# Altium PCB radxa_nx4_io_board_v1.11.PcbDoc (part 4 of 13)
Units mil, origin at the board's own origin, x right, y up, seen from the top; angles counter-clockwise.
Board outline 3937.01 x 3110.23 mil, 6 copper layers (TOP, GND02, ART03, ART04, GND05, BOTTOM), stack 47.2 mil thick; 639 components, 522 nets, 2442 pads, 1896 vias.
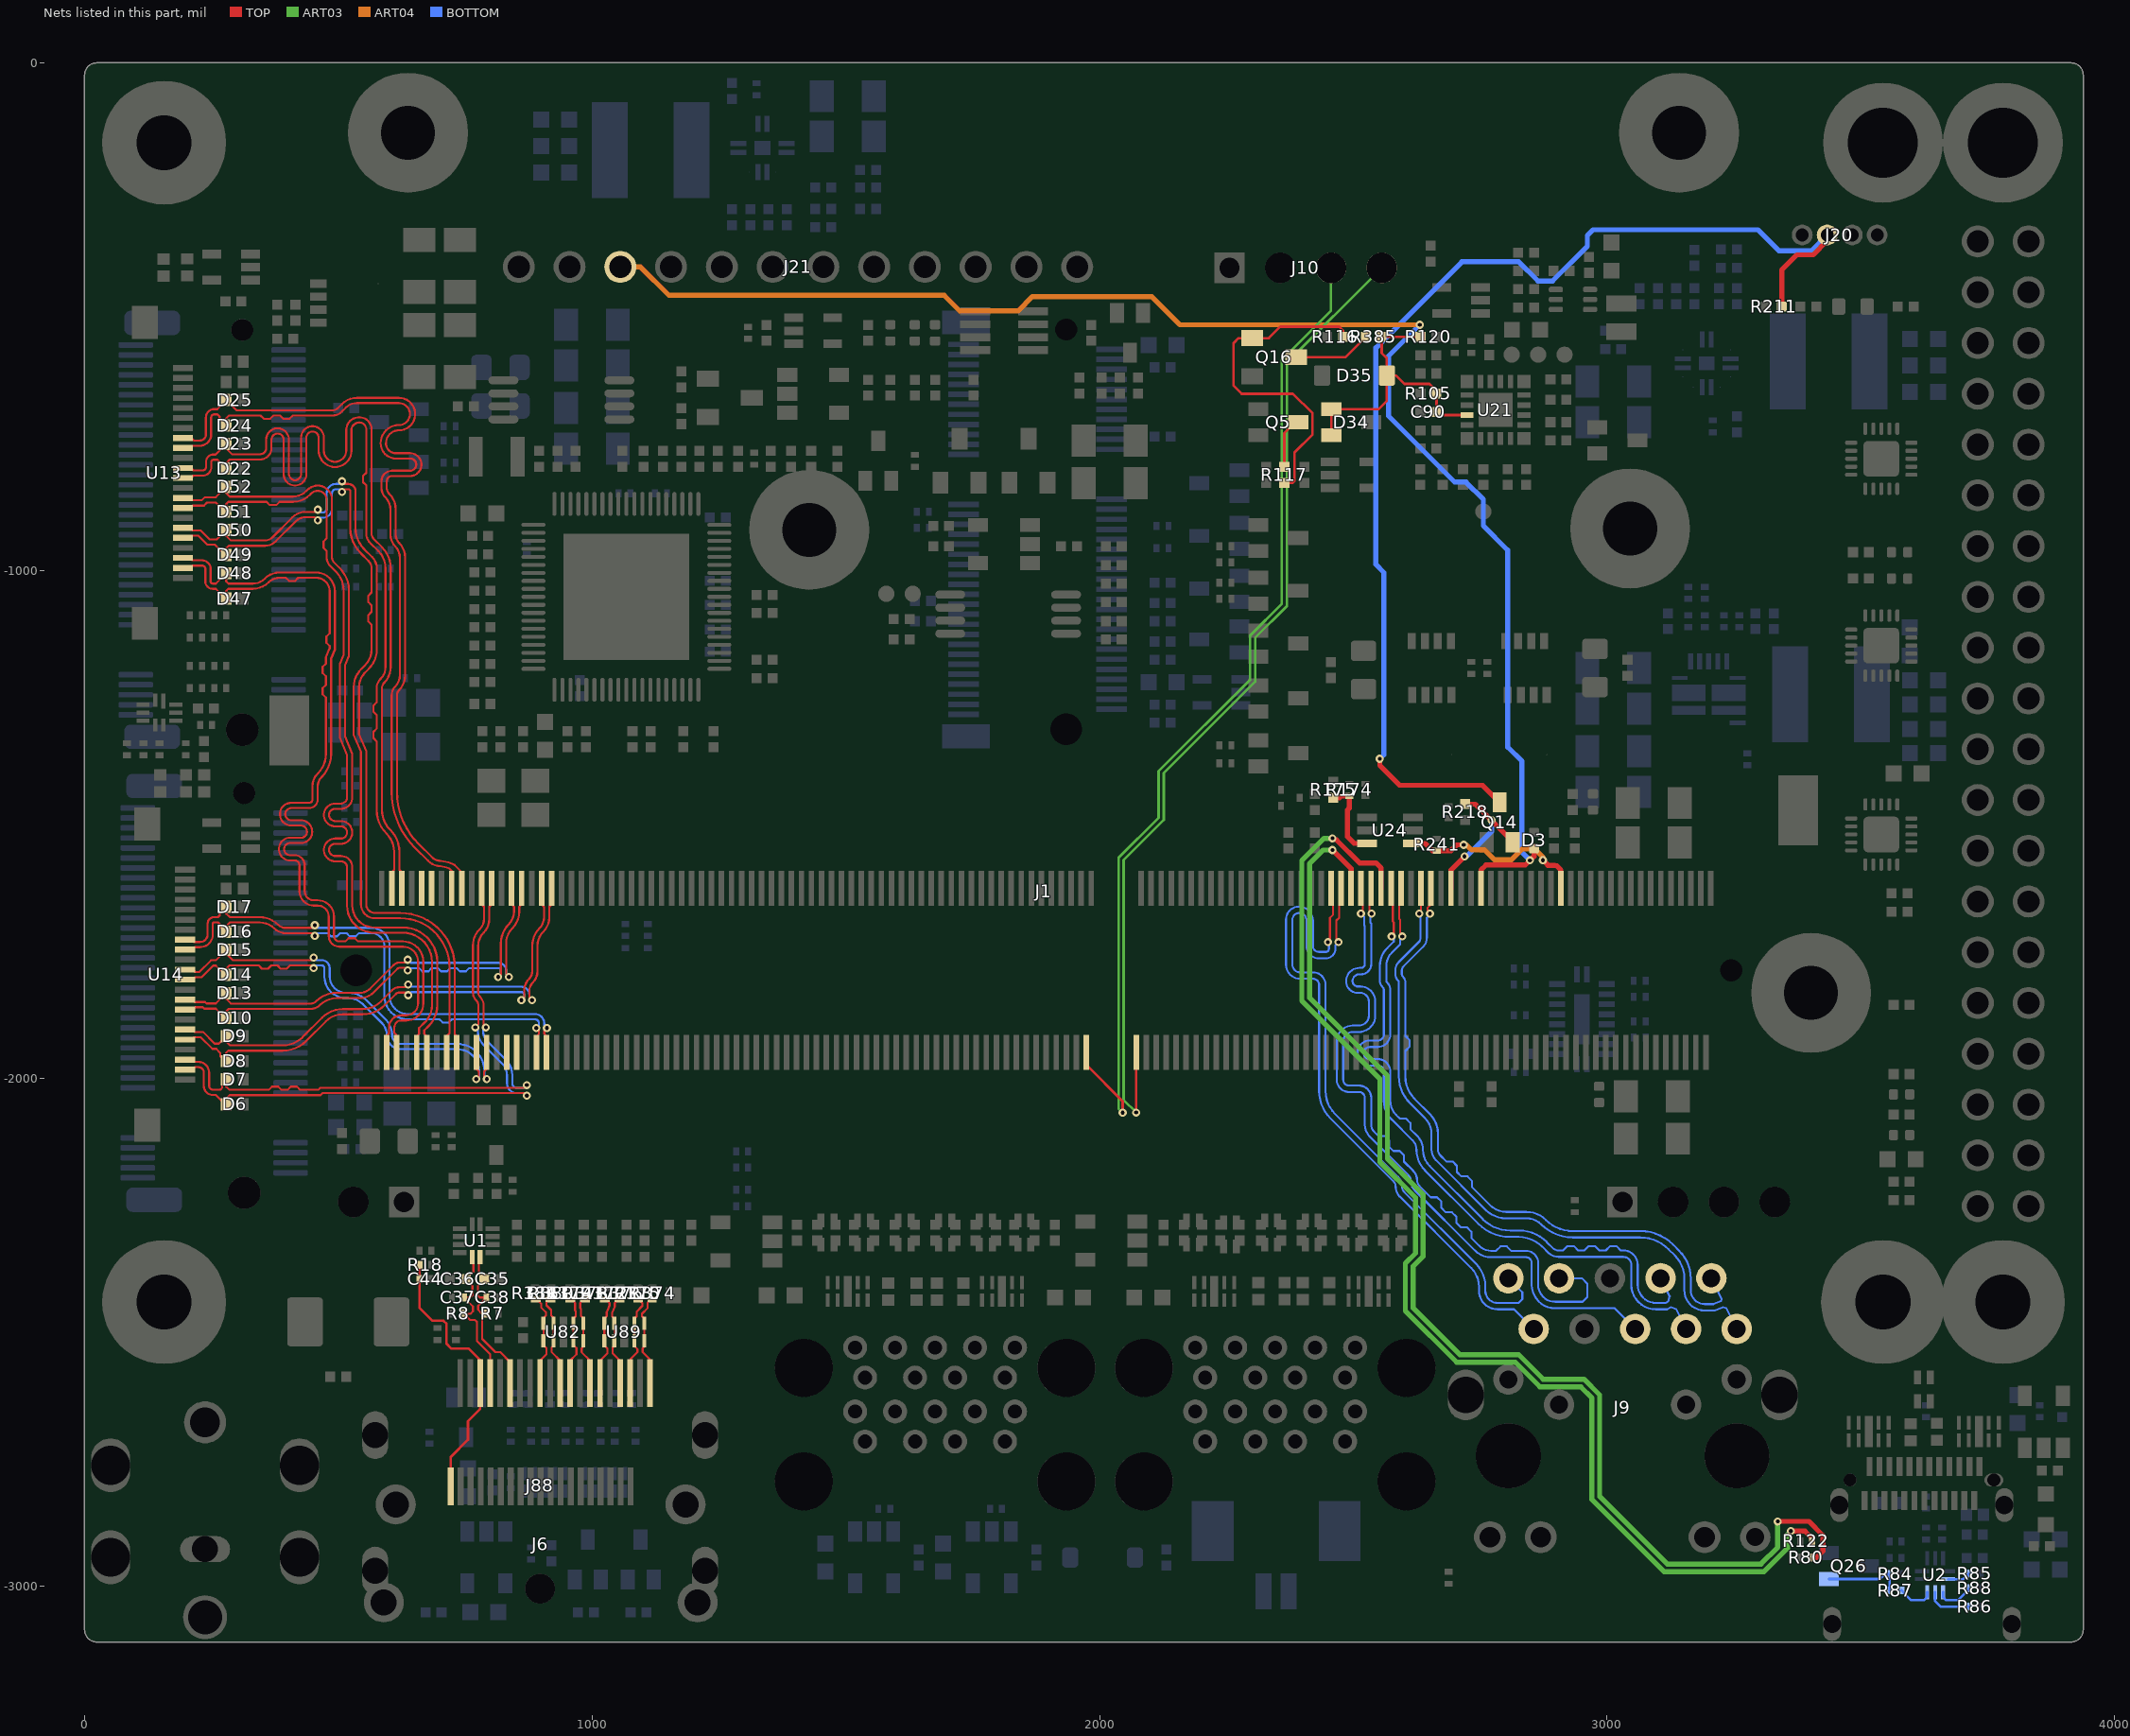
[diagram p8: the nets of this part, all layers, seen from the top]

## Via types
v1: diameter 16, hole 8, TOP to BOTTOM, 1896 vias

## Nets (pads, with @x,y where several pads share a name; then routed paths per layer and width w, separated by ;. In a path a pad name is that pad's centre, name@x,y a point inside that pad or via, vN(x,y) a via of type N, cw(c..) or ccw(c..) an arc to the next point about the centre after c; other vN are vias at no path point) (continued)
CAN_RX: J1.143 J10.3 | length 1989.4
  TOP w5: J1.143@1973.81,-1948.92 1973.81,-1973.81 2045.58,-2045.58 v1(2045.58,-2068)
  ART03 w5: v1(2045.58,-2068) 2037.58,-2060 2037.58,-1566.07 2116.51,-1487.14 2116.51,-1395.14 2296.5,-1215.15 2296.5,-1128.41 2359.17,-1065.74 2359.17,-584.84 2456,-488.01 J10.3@2456,-404
CAN_TX: J1.145 J10.4 | length 2003.1
  TOP w5: v1(2072.24,-2067.6) J1.145@2072.24,-1948.92
  ART03 w5: v1(2072.24,-2067.6) 2047.58,-2042.94 2047.58,-1570.22 2126.51,-1491.29 2126.51,-1399.29 2306.5,-1219.3 2306.5,-1132.56 2369.17,-1069.89 2369.17,-590.83 J10.4@2556,-404
CSI0_CLK_N: J1.10
CSI0_CLK_P: J1.12
CSI0_D0_N: D22.1 J1.4 U13.11 | length 1695.6
  TOP w4.06: U13.11@194.64,-817.84 210.15,-817.84 214.81,-813.18 233.61,-813.18 ccw(c233.61,-796.43) 250.36,-796.43 250.36,-786.06 cw(c254.42,-786.06) 254.42,-782 262.27,-782 D22.1@279.76,-799.49 279.76,-788.24 286.54,-781.46 346.37,-781.46 ccw(c346.37,-759.07) 368.76,-759.07 368.76,-742.39 cw(c380.79,-742.39) 392.82,-742.39 392.82,-810.22 ccw(c415.21,-810.22) 437.6,-810.22 437.6,-738.3 cw(c449.63,-738.3) 461.66,-738.3 461.66,-763.94 ccw(c494,-763.94) 494,-796.28 ccw(c494.02,-763.94) 526.36,-763.94 526.36,-724 cw(c541.84,-724) 541.84,-708.52 cw(c541.84,-722.32) 555.64,-722.32 555.64,-807.61 549.34,-813.91 549.34,-826.09 555.64,-832.39 555.64,-926.68 ccw(c583.37,-926.68) 563.76,-946.28 579.31,-961.83 cw(c545.2,-995.96) 593.45,-995.95 593.45,-1190.13 cw(c560.21,-1190.12) 583.71,-1213.63 ccw(c602.18,-1232.14) 576.03,-1232.15 576.03,-1259.61 569.73,-1265.91 569.73,-1278.09 576.03,-1284.39 576.03,-1311.61 569.73,-1317.91 569.73,-1330.09 576.03,-1336.39 576.03,-1471.43 ccw(c641.86,-1471.42) 595.31,-1517.97 ; 595.32,-1517.98 cw(c558.82,-1554.5) 610.45,-1554.49 610.45,-1589.51 605.7,-1594.26 J1.4@605.7,-1626.09
CSI0_D0_P: D23.1 J1.6 U13.12 | length 1697.6
  TOP w4.06: U13.12@194.64,-798.16 210.15,-798.16 214.81,-802.82 233.61,-802.82 ccw(c233.61,-796.43) 240,-796.43 240,-786.06 cw(c254.42,-786.06) 254.42,-771.64 258.61,-771.64 D23.1@279.76,-750.49 279.76,-759.77 291.09,-771.1 346.37,-771.1 ccw(c346.37,-759.07) 358.4,-759.07 358.4,-742.39 cw(c380.79,-742.39) 403.18,-742.39 403.18,-810.22 ccw(c415.21,-810.22) 427.24,-810.22 427.24,-738.3 cw(c449.63,-738.3) 472.02,-738.3 472.02,-763.94 ccw(c494,-763.94) 494,-785.92 ccw(c494.02,-763.94) 516,-763.94 516,-724 cw(c541.84,-724) 541.84,-698.16 cw(c541.84,-722.32) 566,-722.32 566,-926.67 ccw(c583.36,-926.67) 571.09,-938.95 586.64,-954.5 cw(c545.19,-995.95) 603.81,-995.95 603.81,-1190.13 cw(c560.21,-1190.13) 591.04,-1220.96 ; 591.02,-1220.98 ccw(c602.18,-1232.15) 586.39,-1232.15 586.39,-1471.42 ccw(c641.86,-1471.41) 602.64,-1510.64 cw(c558.81,-1554.49) 620.81,-1554.49 620.81,-1589.69 625.39,-1594.27 J1.6@625.39,-1626.09
CSI0_D1_N: D24.1 J1.16 U13.14 | length 1700
  TOP w4.06: U13.14@194.64,-758.79 209.2,-758.79 213.63,-754.36 228,-754.36 ccw(c228,-732.36) 250,-732.36 250,-698.67 cw(c256,-698.67) 256,-692.67 262.56,-692.67 266.63,-696.74 266.63,-701.36 D24.1@279.76,-714.49 279.76,-700.24 285.04,-694.96 347.3,-694.96 353.6,-701.26 366.4,-701.26 372.7,-694.96 385.5,-694.96 391.8,-701.26 404.6,-701.26 410.9,-694.96 488.71,-694.96 ccw(c488.71,-668.42) 507.47,-687.19 515.33,-679.33 cw(c536.98,-700.97) 536.98,-670.36 620,-670.36 cw(c620,-692) 620,-713.64 ccw(c620,-749.71) 583.93,-749.71 ccw(c613.67,-749.72) 613.67,-779.46 641.9,-779.46 cw(c641.9,-791.49) 641.9,-803.52 606.12,-803.52 ccw(c606.12,-824) 585.64,-824 585.64,-838.33 ccw(c609.66,-838.35) 592.67,-855.33 593.33,-855.99 cw(c569.32,-880.01) 603.28,-880 603.28,-929.98 ccw(c635.37,-929.99) 612.67,-952.67 ; 612.7,-952.7 cw(c590.86,-974.56) 621.76,-974.55 621.76,-1206.73 cw(c590.74,-1206.73) 612.67,-1228.67 ccw(c629.66,-1245.65) 605.64,-1245.66 605.64,-1435.7 ccw(c761.58,-1435.71) 651.31,-1545.97 677.09,-1571.75 ccw(c702.72,-1546.12) 701.62,-1582.34 714.26,-1584.86 719.25,-1586.92 723.81,-1591.48 J1.16@723.81,-1626.09
CSI0_D1_P: D25.1 J1.18 U13.15 | length 1699
  TOP w4.06: U13.15@194.64,-739.1 211.1,-739.1 216,-744 228,-744 ccw(c228,-732.36) 232,-743.29 ccw(c228,-732.36) 239.64,-732.36 239.64,-698.67 cw(c256,-698.67) 256,-682.31 261.94,-682.31 D25.1@279.76,-664.49 299.87,-684.6 488.7,-684.6 ccw(c488.7,-668.42) 500.14,-679.86 508,-672 cw(c536.97,-700.97) 536.97,-660 620,-660 cw(c620,-692) 620,-724 ccw(c620,-749.71) 594.29,-749.71 ccw(c613.67,-749.72) 613.67,-769.1 641.9,-769.1 cw(c641.9,-791.49) 641.9,-813.88 606.12,-813.88 ccw(c606.12,-824) 596,-824 596,-838.34 ccw(c609.66,-838.34) 600,-848 600.66,-848.66 cw(c569.32,-880) 613.64,-880 613.64,-929.98 ccw(c635.37,-929.98) 620,-945.34 ; 620.03,-945.37 cw(c590.86,-974.55) 632.12,-974.55 632.12,-1206.74 cw(c590.74,-1206.74) 620,-1236 ccw(c629.66,-1245.66) 616,-1245.66 616,-1435.7 ccw(c761.58,-1435.7) 658.64,-1538.64 684.42,-1564.42 ccw(c702.72,-1546.12) 702.72,-1572 717.28,-1574.89 729.35,-1579.88 743.5,-1594.03 J1.18@743.5,-1626.09
CSI1_CLK_N: D51.1 J1.9 U13.8 | length 1698.5
  TOP w4.06: U13.8@194.64,-876.9 208.11,-876.9 212.78,-872.23 235.78,-872.23 241.84,-866.17 259.44,-866.17 279.76,-886.49 D51.1@279.76,-884.49 279.76,-868.94 283.82,-864.88 359.26,-864.88 365.56,-871.18 378.36,-871.18 384.66,-864.88 410.95,-864.88 ccw(c410.96,-817.05) 444.77,-850.88 446.95,-848.7 cw(c460.01,-861.75) 460,-843.29 cw(c460,-860.93) 477.64,-860.93 477.64,-936.56 471.34,-942.86 471.34,-955.66 477.64,-961.96 477.64,-974.76 ccw(c500.78,-974.75) 484.4,-991.1 495.99,-1002.7 cw(c460.13,-1038.54) 510.83,-1038.54 510.84,-1166.35 503.45,-1184.2 503.45,-1328.91 517.7,-1363.32 517.7,-1447.12 cw(c505.67,-1447.12) 505.67,-1459.15 494.39,-1459.15 ccw(c494.39,-1481.54) 494.39,-1503.93 505.67,-1503.93 cw(c505.67,-1515.96) 505.67,-1527.99 494.39,-1527.99 ccw(c494.39,-1550.38) 494.39,-1572.77 505.67,-1572.77 cw(c505.67,-1584.8) 517.7,-1584.8 517.7,-1659.75 ccw(c571.53,-1659.75) 571.53,-1713.58 627.93,-1713.58 cw(c627.93,-1770.71) 685.06,-1770.71 685.06,-1856.24 cw(c637.63,-1856.23) 672.85,-1888 cw(c637.62,-1856.24) 671.16,-1889.78 659.57,-1901.37 659.57,-1912.45 654.91,-1917.11 J1.9@654.91,-1948.92
CSI1_CLK_P: D52.1 J1.11 U13.9 | length 1699.7
  TOP w4.06: U13.9@194.64,-857.21 209.2,-857.21 213.86,-861.87 231.48,-861.87 237.54,-855.81 259.44,-855.81 D52.1@279.76,-835.49 279.76,-847.76 286.52,-854.52 410.95,-854.52 ccw(c410.95,-817.05) 437.44,-843.55 439.62,-841.37 cw(c460,-861.76) 460,-832.93 cw(c460,-860.93) 488,-860.93 488,-974.75 ccw(c500.77,-974.74) 491.74,-983.77 503.33,-995.37 cw(c460.14,-1038.53) 521.2,-1038.54 521.2,-1168.41 513.81,-1186.26 513.81,-1326.84 528.06,-1361.25 528.06,-1447.12 cw(c505.67,-1447.12) 505.67,-1469.51 494.39,-1469.51 ccw(c494.39,-1481.54) 494.39,-1493.57 505.67,-1493.57 cw(c505.67,-1515.96) 505.67,-1538.35 494.39,-1538.35 ccw(c494.39,-1550.38) 494.39,-1562.41 505.67,-1562.41 cw(c505.67,-1584.8) 528.06,-1584.8 528.06,-1659.75 ccw(c571.53,-1659.75) 571.53,-1703.22 627.93,-1703.22 cw(c627.93,-1770.71) 695.42,-1770.71 695.42,-1856.25 cw(c637.62,-1856.24) 685.91,-1888 cw(c637.62,-1856.24) 678.49,-1897.11 669.93,-1905.67 669.93,-1912.43 674.6,-1917.1 J1.11@674.6,-1948.92
CSI1_D0_N: D47.1 J1.3 U13.2 | length 1699.1
  TOP w4.06: U13.2@194.64,-995.01 209,-995.01 213.51,-990.5 232,-990.5 cw(c232,-997.14) 238.64,-997.14 238.64,-1021.75 ccw(c253.06,-1021.75) 253.06,-1036.17 259.44,-1036.17 279.76,-1056.49 D47.1@279.76,-1055.49 279.76,-1040.25 283.65,-1036.36 331.75,-1036.36 ccw(c331.76,-991.59) 363.41,-1023.25 cw(c384.86,-1044.68) 384.85,-1014.36 397.03,-1014.36 403.33,-1020.66 415.51,-1020.66 421.81,-1014.36 456.94,-1014.36 cw(c456.94,-1040.84) 483.42,-1040.84 483.42,-1123.91 477.12,-1130.21 477.12,-1142.39 483.42,-1148.69 483.42,-1153.65 476.03,-1171.5 476.03,-1183.68 469.73,-1189.98 469.73,-1202.16 476.03,-1208.46 476.03,-1225.58 469.73,-1231.88 469.73,-1244.06 476.03,-1250.36 476.03,-1361.3 cw(c421.3,-1361.3) 460,-1400 ccw(c485.01,-1425.01) 449.64,-1425.01 449.64,-1451.12 cw(c443.18,-1451.12) 443.18,-1457.58 407.98,-1457.58 ccw(c407.98,-1479.97) 407.98,-1502.36 426.39,-1502.36 cw(c426.39,-1514.78) 438.81,-1514.78 cw(c427.18,-1514.79) 427.18,-1526.42 405.81,-1526.42 ccw(c405.81,-1548.81) 405.81,-1571.2 414.39,-1571.2 cw(c414.39,-1580.81) 424,-1580.81 424,-1632 ccw(c452,-1632) 452,-1660 460,-1660 cw(c460,-1681.64) 481.64,-1681.64 481.64,-1720.26 ccw(c502.38,-1720.26) 502.38,-1741 627.93,-1741 cw(c627.93,-1770.71) 657.64,-1770.71 657.64,-1852.78 cw(c634.42,-1852.78) 634.42,-1876 624.52,-1876 ccw(c624.52,-1900) 613.12,-1878.88 ccw(c624.52,-1900) 600.52,-1900 600.52,-1911.48 595.86,-1916.14 J1.3@595.86,-1948.92
CSI1_D0_P: D48.1 J1.5 U13.3 | length 1700
  TOP w4.06: U13.3@194.64,-975.32 208.32,-975.32 213.14,-980.14 232,-980.14 cw(c232,-997.14) 249,-997.14 249,-1021.75 ccw(c253.06,-1021.75) 253.06,-1025.81 259.44,-1025.81 D48.1@279.76,-1005.49 279.76,-1021.75 284.01,-1026 331.75,-1026 ccw(c331.75,-991.6) 356.08,-1015.92 cw(c384.85,-1044.68) 384.85,-1004 456.94,-1004 cw(c456.94,-1040.84) 493.78,-1040.84 493.78,-1155.71 486.39,-1173.56 486.39,-1361.3 cw(c421.3,-1361.31) 467.33,-1407.33 ccw(c485.01,-1425.02) 460,-1425.02 460,-1451.12 cw(c443.18,-1451.12) 443.18,-1467.94 407.98,-1467.94 ccw(c407.98,-1479.97) 407.98,-1492 426.39,-1492 cw(c426.39,-1514.78) 449.17,-1514.78 cw(c427.18,-1514.79) 427.18,-1536.78 405.81,-1536.78 ccw(c405.81,-1548.81) 405.81,-1560.84 414.39,-1560.84 cw(c414.39,-1580.81) 434.36,-1580.81 434.36,-1632 ccw(c452,-1632) 452,-1649.64 460,-1649.64 cw(c460,-1681.64) 492,-1681.64 492,-1720.26 ccw(c502.38,-1720.26) 502.38,-1730.64 514.56,-1730.64 520.86,-1724.34 533.04,-1724.34 539.34,-1730.64 627.93,-1730.64 cw(c627.93,-1770.71) 668,-1770.71 668,-1852.78 cw(c634.42,-1852.78) 634.42,-1886.36 624.52,-1886.36 ccw(c624.52,-1900) 618.04,-1888 ccw(c624.52,-1900) 610.88,-1900 610.88,-1910.88 615.54,-1915.54 J1.5@615.54,-1948.92
CSI1_D1_N: D49.1 J1.15 U13.5 | length 1708.2
  TOP w4.06: U13.5@194.64,-935.95 208.05,-935.95 212.71,-931.29 224.63,-931.29 242.7,-949.36 257.63,-949.36 279.76,-971.49 D49.1@279.76,-969.49 279.76,-956.25 284.65,-951.36 356,-951.36 ccw(c356,-920.84) 377.58,-942.42 417.07,-902.93 cw(c436,-921.86) 436,-895.09 453.77,-895.09 v1(460,-901.32) ; v1(508,-845.32) 513.32,-840 520,-840 cw(c520,-844.03) 524.03,-844.03 524.03,-916.48 ccw(c593.71,-916.49) 544.43,-965.75 559.91,-981.23 cw(c545.15,-996) 566.03,-995.99 566.03,-1043.3 559.73,-1049.6 559.73,-1062.4 566.03,-1068.7 566.03,-1081.5 559.73,-1087.8 559.73,-1100.6 566.03,-1106.9 566.03,-1155.67 cw(c522.5,-1155.67) 553.28,-1186.45 545.81,-1193.92 ccw(c581.91,-1230) 530.87,-1230 530.87,-1323.42 545.12,-1357.83 545.12,-1657.46 ccw(c572.66,-1657.46) 572.66,-1685 622.71,-1685 cw(c622.71,-1781.92) 719.63,-1781.92 719.63,-1911.44 713.97,-1917.1 J1.15@713.97,-1948.92
  BOTTOM w4.06: v1(460,-901.32) 465.32,-896 470.31,-896 ccw(c470.31,-878.31) 488,-878.31 488,-847.88 cw(c495.88,-847.88) 495.88,-840 502.68,-840 v1(508,-845.32)
CSI1_D1_P: D50.1 J1.17 U13.6 | length 1708.8
  TOP w4.06: U13.6@194.64,-916.27 208.27,-916.27 212.93,-920.93 228.93,-920.93 247,-939 261.25,-939 D50.1@279.76,-920.49 279.76,-931.76 289,-941 356,-941 ccw(c355.99,-920.85) 370.25,-935.09 409.74,-895.6 cw(c435.99,-921.86) 436.01,-884.73 455.59,-884.73 v1(460,-880.32) ; v1(508,-824.32) 513.32,-829.64 520,-829.64 cw(c520,-844.03) 534.39,-844.03 534.39,-916.48 ccw(c593.71,-916.48) 551.76,-958.42 567.24,-973.9 cw(c545.15,-995.99) 576.39,-995.99 576.39,-1155.67 cw(c522.5,-1155.68) 560.61,-1193.78 553.14,-1201.25 ccw(c581.9,-1230.01) 541.23,-1230 541.23,-1321.35 555.48,-1355.76 555.48,-1657.46 ccw(c572.66,-1657.46) 572.66,-1674.64 622.71,-1674.64 cw(c622.71,-1781.92) 729.99,-1781.92 729.99,-1913.44 733.65,-1917.1 J1.17@733.65,-1948.92
  BOTTOM w4.06: v1(460,-880.32) 465.32,-885.64 470.31,-885.64 ccw(c470.31,-878.31) 477.64,-878.31 477.64,-847.88 cw(c495.88,-847.88) 495.88,-829.64 502.68,-829.64 v1(508,-824.32)
CSI2_CLK_N: D10.1 J1.28 U14.8 | length 902
  TOP w4.06: U14.8@198.64,-1864.9 214.1,-1864.9 218.76,-1860.24 233.57,-1860.24 236.5,-1863.17 259.44,-1863.17 279.76,-1883.49 D10.1@279.76,-1881.49 279.76,-1868.24 284.64,-1863.36 446.41,-1863.36 ccw(c446.4,-1838.64) 463.88,-1856.12 cw(c497.07,-1889.26) 497.06,-1842.36 542.35,-1842.36 ccw(c542.34,-1802.29) 570.68,-1830.62 616.48,-1784.81 cw(c622.45,-1790.8) 622.45,-1782.35 631.81,-1782.35 v1(637.13,-1787.67) ; v1(815.39,-1800.51) 820.71,-1795.19 820.71,-1734.4 cw(c873.29,-1734.41) 836.11,-1697.23 ; 836.14,-1697.2 ccw(c810.95,-1672) 846.58,-1672.01 846.58,-1662.58 841.92,-1657.92 J1.28@841.92,-1626.09
  BOTTOM w4.06: v1(637.13,-1787.67) 641.54,-1783.26 659.61,-1783.26 665.91,-1789.56 678.09,-1789.56 684.39,-1783.26 696.57,-1783.26 702.87,-1789.56 715.05,-1789.56 721.35,-1783.26 733.53,-1783.26 739.83,-1789.56 752.01,-1789.56 758.31,-1783.26 816.03,-1783.26 cw(c816.03,-1788) 820.77,-1788 820.77,-1795.13 v1(815.39,-1800.51)
CSI2_CLK_P: D13.1 J1.30 U14.9 | length 901.1
  TOP w4.06: U14.9@198.64,-1845.21 213.21,-1845.21 217.88,-1849.88 237.87,-1849.88 240.8,-1852.81 259.44,-1852.81 D13.1@279.76,-1832.49 279.76,-1843.76 289,-1853 446.4,-1853 ccw(c446.39,-1838.64) 456.55,-1848.79 ; 456.57,-1848.77 cw(c497.06,-1889.26) 497.05,-1832 542.34,-1832 ccw(c542.33,-1802.29) 563.35,-1823.29 609.15,-1777.48 cw(c622.43,-1790.81) 622.45,-1771.99 631.81,-1771.99 v1(637.13,-1766.67) ; v1(836.39,-1800.51) 831.07,-1795.19 831.07,-1734.41 cw(c873.29,-1734.42) 843.44,-1704.56 ccw(c810.95,-1672.01) 856.94,-1672.01 856.94,-1662.58 861.61,-1657.91 J1.30@861.61,-1626.09
  BOTTOM w4.06: v1(637.13,-1766.67) 643.36,-1772.9 816.03,-1772.9 cw(c816.03,-1788) 831.13,-1788 831.13,-1795.25 v1(836.39,-1800.51)
CSI2_D0_N: D6.1 J1.22 U14.2 | length 1218.7
  TOP w4.06: U14.2@198.64,-1983.01 213,-1983.01 217.66,-1978.35 225.07,-1978.35 cw(c225.07,-1988.92) 235.64,-1988.92 235.64,-2015.21 ccw(c253.6,-2015.21) 253.6,-2033.17 259.44,-2033.17 279.76,-2053.49 D6.1@279.76,-2051.49 279.76,-2040.24 286.64,-2033.36 465.3,-2033.36 469.39,-2029.27 866.68,-2029.27 v1(872,-2034.59) ; v1(770.21,-1900) 776.44,-1893.77 776.44,-1857.04 ccw(c762.08,-1857.05) 772.23,-1846.89 ; 772.21,-1846.88 cw(c788.18,-1830.97) 765.64,-1830.97 765.64,-1739.49 cw(c813.39,-1739.48) 779.94,-1705.4 ccw(c760.54,-1686.66) 787.52,-1686.64 ; J1.22@782.87,-1626.09 782.87,-1657.91 787.53,-1662.57 787.53,-1686.65
  BOTTOM w4.06: v1(770.21,-1900) 775.53,-1905.32 775.53,-1907.8 ccw(c813.52,-1907.8) 786.66,-1934.66 823.14,-1971.14 cw(c799.61,-1994.66) 832.88,-1994.65 832.88,-2010.15 ccw(c852,-2010.15) 852,-2029.27 866.68,-2029.27 v1(872,-2034.59)
CSI2_D0_P: D7.1 J1.24 U14.3 | length 1217.9
  TOP w4.06: U14.3@198.64,-1963.32 211.31,-1963.32 215.98,-1967.99 225.07,-1967.99 cw(c225.07,-1988.92) 246,-1988.92 246,-2015.21 ccw(c253.6,-2015.21) 253.6,-2022.81 267.94,-2022.81 272,-2018.75 272,-2010.25 D7.1@279.76,-2002.49 279.76,-2016.76 286,-2023 363.61,-2023 369.91,-2016.7 382.09,-2016.7 388.39,-2023 400.57,-2023 406.87,-2016.7 419.05,-2016.7 425.35,-2023 461,-2023 465.09,-2018.91 866.68,-2018.91 v1(872,-2013.59) ; v1(791.21,-1900) 786.8,-1895.59 786.8,-1857.04 ccw(c762.08,-1857.04) 779.56,-1839.56 cw(c788.17,-1830.96) 776,-1830.96 776,-1739.49 cw(c813.39,-1739.49) 786.95,-1713.05 ccw(c760.55,-1686.65) 797.89,-1686.64 797.89,-1662.57 802.55,-1657.91 J1.24@802.55,-1626.09
  BOTTOM w4.06: v1(791.21,-1900) 785.89,-1905.32 785.89,-1907.79 ccw(c813.51,-1907.79) 793.99,-1927.33 830.47,-1963.81 cw(c799.61,-1994.65) 843.24,-1994.64 843.24,-2010.15 ccw(c852,-2010.15) 852,-2018.91 866.68,-2018.91 v1(872,-2013.59)
CSI2_D1_N: D8.1 J1.34 U14.5 | length 1009.2
  TOP w4.06: U14.5@198.64,-1923.95 212.05,-1923.95 216.71,-1919.29 229.62,-1919.29 252.69,-1942.36 260,-1942.36 268,-1950.36 268,-1956.73 279.76,-1968.49 D8.1@279.76,-1966.49 279.76,-1949.94 283.82,-1945.88 390.72,-1945.88 ccw(c390.71,-1879.72) 437.5,-1926.5 475.9,-1888.1 cw(c509.07,-1921.26) 509.06,-1874.36 548.15,-1874.36 ccw(c548.16,-1812.84) 591.65,-1856.35 613.95,-1834.05 cw(c620.68,-1840.77) 620.67,-1831.26 632.58,-1831.26 v1(637.9,-1836.58) ; v1(861.16,-1846.38) 866.48,-1841.06 866.48,-1828.02 cw(c900.11,-1828.03) 876.33,-1804.25 ccw(c861.55,-1789.43) 882.48,-1789.44 882.48,-1739.46 cw(c932.19,-1739.45) 897.04,-1704.3 ccw(c876.31,-1683.55) 905.64,-1683.56 905.64,-1662.57 900.98,-1657.91 J1.34@900.98,-1626.09
  BOTTOM w4.06: v1(637.9,-1836.58) 644.13,-1830.35 860.83,-1830.35 cw(c860.83,-1836) 866.48,-1836 866.48,-1841.06 v1(861.16,-1846.38)
CSI2_D1_P: D9.1 J1.36 U14.6 | length 1009.4
  TOP w4.06: U14.6@198.64,-1904.27 212.27,-1904.27 216.93,-1908.93 233.92,-1908.93 256.99,-1932 265.25,-1932 D9.1@279.76,-1917.49 279.76,-1927.76 287.52,-1935.52 390.71,-1935.52 ccw(c390.71,-1879.72) 430.17,-1919.17 468.57,-1880.77 cw(c509.06,-1921.27) 509.06,-1864 548.15,-1864 ccw(c548.15,-1812.84) 584.32,-1849.02 606.62,-1826.72 cw(c620.67,-1840.77) 620.67,-1820.9 632.58,-1820.9 v1(637.9,-1815.58) ; v1(882.16,-1846.38) 876.84,-1841.06 876.84,-1828.03 cw(c900.11,-1828.04) 883.66,-1811.58 ; 883.67,-1811.57 ccw(c861.55,-1789.44) 892.84,-1789.44 892.84,-1739.46 cw(c932.19,-1739.46) 904.37,-1711.63 ; 904.38,-1711.62 ccw(c876.31,-1683.56) 916,-1683.56 916,-1662.57 920.66,-1657.91 J1.36@920.66,-1626.09
  BOTTOM w4.06: v1(637.9,-1815.58) 642.31,-1819.99 860.83,-1819.99 cw(c860.83,-1836) 876.84,-1836 876.84,-1841.06 v1(882.16,-1846.38)
CSI3_CLK_N: J1.27
CSI3_CLK_P: J1.29
CSI3_D0_N: D14.1 J1.21 U14.11 | length 825.6
  TOP w4.06: U14.11@198.64,-1805.84 214.15,-1805.84 218.81,-1801.18 230.99,-1801.18 254,-1778.17 259.44,-1778.17 279.76,-1798.49 D14.1@279.76,-1796.49 279.76,-1784.24 286,-1778 343.61,-1778 349.91,-1784.3 362.09,-1784.3 368.39,-1778 380.57,-1778 386.87,-1784.3 399.05,-1784.3 405.35,-1778 446.68,-1778 v1(452,-1783.32) ; v1(772.07,-2002.03) 777.39,-1996.71 777.39,-1986.5 773.02,-1982.13 J1.21@773.02,-1948.92
  BOTTOM w4.06: v1(452,-1783.32) 457.32,-1778 468,-1778 cw(c468,-1783.04) 473.04,-1783.04 473.04,-1799.4 ccw(c516,-1799.4) 516,-1842.36 520.07,-1842.36 cw(c520.06,-1883.64) 549.26,-1854.46 586.32,-1891.52 cw(c562.98,-1914.88) 596,-1914.87 ; 596,-1914.88 ccw(c623.98,-1914.88) 623.98,-1942.86 734.48,-1942.86 cw(c734.48,-1986.38) 778,-1986.38 778,-1996.1 v1(772.07,-2002.03)
CSI3_D0_P: D15.1 J1.23 U14.12 | length 826.9
  TOP w4.06: U14.12@198.64,-1786.16 214.15,-1786.16 218.81,-1790.82 226.69,-1790.82 249.7,-1767.81 259.44,-1767.81 D15.1@279.76,-1747.49 279.76,-1754.76 292.64,-1767.64 446.68,-1767.64 v1(452,-1762.32) ; J1.23@792.71,-1948.92 792.71,-1981.96 787.75,-1986.92 787.75,-1996.71 v1(793.07,-2002.03)
  BOTTOM w4.06: v1(452,-1762.32) 457.32,-1767.64 468,-1767.64 cw(c468,-1783.04) 483.4,-1783.04 483.4,-1799.4 ccw(c516,-1799.4) 516,-1832 520.08,-1832 cw(c520.07,-1883.64) 556.59,-1847.13 593.65,-1884.19 cw(c562.98,-1914.87) 606.36,-1914.86 ; 606.36,-1914.88 ccw(c623.98,-1914.88) 623.98,-1932.5 734.48,-1932.5 cw(c734.48,-1986.38) 788.36,-1986.38 788.36,-1997.32 v1(793.07,-2002.03)
CSI3_D1_N: D16.1 J1.33 U14.14 | length 995.3
  TOP w4.06: U14.14@198.64,-1746.79 213.2,-1746.79 217.86,-1742.13 228,-1742.13 ccw(c228,-1716.77) 253.36,-1716.77 253.36,-1695.81 cw(c256,-1695.81) 256,-1693.17 263.5,-1693.17 267.13,-1696.8 267.13,-1700.86 279.76,-1713.49 D16.1@279.76,-1711.49 279.76,-1700.24 286.64,-1693.36 345.72,-1693.36 cw(c345.71,-1734.37) 374.72,-1705.38 ; 374.74,-1705.4 ccw(c396.38,-1683.74) 396.39,-1714.36 448.95,-1714.36 v1(454.27,-1719.68) ; v1(890.47,-1901.47) 895.79,-1906.79 895.79,-1912.45 891.13,-1917.11 J1.33@891.13,-1948.92
  BOTTOM w4.06: v1(454.27,-1719.68) 459.59,-1714.36 479.61,-1714.36 485.91,-1720.66 498.09,-1720.66 504.39,-1714.36 516.57,-1714.36 522.87,-1720.66 535.05,-1720.66 541.35,-1714.36 565.57,-1714.36 cw(c565.57,-1740) 591.21,-1740 591.21,-1837.87 ccw(c637.31,-1837.87) 637.31,-1883.97 699.61,-1883.97 705.91,-1890.27 718.09,-1890.27 724.39,-1883.97 887.76,-1883.97 cw(c887.76,-1892) 895.79,-1892 895.79,-1896.15 v1(890.47,-1901.47)
CSI3_D1_P: D17.1 J1.35 U14.15 | length 996.1
  TOP w4.06: U14.15@198.64,-1727.1 211.11,-1727.1 215.78,-1731.77 228,-1731.77 ccw(c228,-1716.77) 243,-1716.77 243,-1695.81 cw(c256,-1695.81) 256,-1682.81 263.5,-1682.81 267.12,-1679.19 267.12,-1675.13 D17.1@279.76,-1662.49 279.76,-1675.76 287,-1683 345.72,-1683 cw(c345.72,-1734.37) 382.05,-1698.05 ccw(c396.39,-1683.74) 396.39,-1704 448.95,-1704 v1(454.27,-1698.68) ; J1.35@910.82,-1948.92 910.82,-1917.1 906.15,-1912.43 906.15,-1906.79 v1(911.47,-1901.47)
  BOTTOM w4.06: v1(454.27,-1698.68) 459.59,-1704 565.57,-1704 cw(c565.57,-1740) 601.57,-1740 601.57,-1837.87 ccw(c637.31,-1837.87) 637.31,-1873.61 887.76,-1873.61 cw(c887.76,-1892) 906.15,-1892 906.15,-1896.15 v1(911.47,-1901.47)
DCJ_UNPLUG: Q16.1 R116.1 R117.1 | length 676.3
  TOP w5: R117.1@2364,-827.75 2380.25,-827.75 2384,-824 2384,-768 2419.56,-732.44 2419.56,-690.7 2380.86,-652 2280,-652 2264,-636 2264,-552.01 2273.41,-542.6 Q16.1@2300.69,-542.6 2333.41,-542.6 2356.01,-520 2472,-520 2479.75,-527.75 R116.1@2479.75,-540
DCJ_UNPLUG_Q: Q16.3 R385.1 | length 153.5
  TOP w5: Q16.3@2387.31,-580 2484.25,-580 R385.1@2524.25,-540
DCJ_UNPLUG_R: Q5.3 R117.2 | length 103
  TOP w5: R117.2@2364,-796.25 2364,-729.46 2385.46,-708 Q5.3@2391.37,-708
DDI_AUX_C_DN: C36.2 C37.1 J88.17 R8.1 U1.1 | length 325
  TOP w4.06: U1.1@764.13,-2352.48 764.13,-2364.13 766.7,-2366.7 766.7,-2381.05 C36.2@751.75,-2396 764.82,-2409.07 764.82,-2427.94 760.76,-2432 C37.1@747.81,-2432 765.64,-2449.83 765.64,-2459.12 760.76,-2464 R8.1@747.81,-2464 759.81,-2476 769.58,-2476 773.64,-2480.06 773.64,-2517.86 799.57,-2543.79 J88.17@799.57,-2600.64
DDI_AUX_C_DP: C35.2 C38.1 J88.15 R7.1 U1.2 | length 324
  TOP w4.06: U1.2@779.87,-2352.48 779.87,-2364.12 777.06,-2366.93 777.06,-2384.81 C35.2@788.25,-2396 775.18,-2409.07 775.18,-2427.94 779.24,-2432 C38.1@792.19,-2432 776,-2448.19 776,-2456 784,-2464 R7.1@792.19,-2464 784,-2472.19 784,-2513.56 809.93,-2539.49 819.49,-2539.49 838.94,-2558.94 J88.15@838.94,-2600.64
DDI_TX0_C_DN: J88.3 L10.1 R375.2 U89.2 U89.9 | length 182.4
  TOP w4.06: J88.3@1075.16,-2600.64 1075.16,-2553.94 1089.67,-2539.43 1089.67,-2533.67 1083.68,-2527.68 U89.9@1083.68,-2517.22 U89.2@1083.68,-2482.78 1083.68,-2473.32 1088.35,-2468.65 1088.35,-2459.7 1099.64,-2448.41 1099.64,-2443.34 1096.14,-2439.84 L10.1@1096.14,-2434.83
DDI_TX0_C_DP: J88.1 L10.2 R374.2 U89.1 U89.10 | length 181.4
  TOP w4.06: L10.2@1113.86,-2434.83 1113.86,-2438.14 1110,-2442 1110,-2452.71 1098.71,-2464 1098.71,-2468.71 1103.37,-2473.37 U89.1@1103.37,-2482.78 U89.10@1103.37,-2517.22 1103.37,-2528.62 1100.03,-2531.96 1100.03,-2539.43 1114.53,-2553.93 J88.1@1114.53,-2600.64
DDI_TX1_C_DN: J88.6 L12.1 R377.2 U89.5 U89.6 | length 178.9
  TOP w4.06: J88.6@1016.11,-2600.64 1016.11,-2556.19 1030.62,-2541.68 1030.62,-2532.61 1024.63,-2526.62 U89.6@1024.63,-2517.22 U89.5@1024.63,-2482.78 1024.63,-2473.38 1029.3,-2468.71 1029.3,-2460.41 1034.82,-2447.08 1034.82,-2442.83 1031.14,-2439.15 L12.1@1031.14,-2434.83
DDI_TX1_C_DP: J88.4 L12.2 R376.2 U89.4 U89.7 | length 177.8
  TOP w4.06: L12.2@1048.86,-2434.83 1048.86,-2439.14 1045.18,-2442.82 1045.18,-2449.15 1039.66,-2462.48 1039.66,-2468.67 1044.32,-2473.33 U89.4@1044.32,-2482.78 U89.7@1044.32,-2517.22 1044.32,-2527.68 1040.98,-2531.02 1040.98,-2541.71 1055.48,-2556.21 J88.4@1055.48,-2600.64
DDI_TX2_C_DN: J88.9 L14.1 R379.2 U82.2 U82.9 | length 177.6
  TOP w4.06: J88.9@957.05,-2600.64 957.05,-2556.2 969.64,-2543.61 969.64,-2531.76 963.68,-2525.8 U82.9@963.68,-2517.22 U82.2@963.68,-2482.78 963.68,-2473.33 968.34,-2468.67 968.34,-2458.99 966.82,-2457.47 966.82,-2442.82 963.14,-2439.14 L14.1@963.14,-2434.83
DDI_TX2_C_DP: J88.7 L14.2 R378.2 U82.1 U82.10 | length 178.1
  TOP w4.06: L14.2@980.86,-2434.83 980.86,-2439.14 977.18,-2442.82 977.18,-2453.17 978.7,-2454.69 978.7,-2468.71 983.37,-2473.38 U82.1@983.37,-2482.78 U82.10@983.37,-2517.22 983.37,-2528.62 980,-2531.99 980,-2539.77 996.42,-2556.19 J88.7@996.42,-2600.64
DDI_TX3_C_DN: J88.12 L16.1 R381.2 U82.5 U82.6 | length 181.3
  TOP w4.06: L16.1@895.14,-2434.83 895.14,-2439.15 900,-2444.01 900,-2451.66 909.29,-2460.95 909.29,-2467.71 904.63,-2472.37 U82.5@904.63,-2482.78 U82.6@904.63,-2517.22 904.63,-2525.63 910.64,-2531.64 910.64,-2543.56 898,-2556.2 J88.12@898,-2600.64
DDI_TX3_C_DP: J88.10 L16.2 R380.2 U82.4 U82.7 | length 180.8
  TOP w4.06: L16.2@912.86,-2434.83 912.86,-2439.14 910.36,-2441.64 910.36,-2447.36 919.65,-2456.65 919.65,-2467.65 924.32,-2472.32 U82.4@924.32,-2482.78 U82.7@924.32,-2517.22 924.32,-2526.68 921,-2530 921,-2539.84 937.37,-2556.21 J88.10@937.37,-2600.64
DP_HPD_CON: C44.1 J6.19 J88.18 R18.2 | length 542.4
  TOP w5: R18.2@660.19,-2368 C44.1@660.19,-2396 660.19,-2452.19 685.78,-2477.78 707.4,-2477.78 713.62,-2484 713.62,-2523.24 722.69,-2532.31 756.65,-2532.31 779.89,-2555.55 J88.18@779.89,-2600.64 779.89,-2651.52 756,-2675.41 756,-2712 721.96,-2746.04 J6.19@721.96,-2804.28
FAN_PWM: J1.230 R241.2 U24.4 | length 379.5
  TOP w10: U24.4@2617.28,-1537.59 2641.58,-1537.59 2655.8,-1551.81 R241.2@2664,-1551.81 2692.19,-1551.81 2703.56,-1540.44 v1(2717.5,-1540.44) ; v1(2873.35,-1570.75) 2883.24,-1580.64 2896.48,-1580.64 2900.91,-1582.12 2908.84,-1590.05 ; J1.230@2908.85,-1626.09 2908.85,-1590.08
  ART04 w10: v1(2717.5,-1540.44) 2722.72,-1540.44 2732.78,-1550.5 2758.5,-1550.5 2777.5,-1569.5 2811.5,-1569.5 2832.5,-1548.5 2857.39,-1548.5 2873.35,-1564.46 v1(2873.35,-1570.75)
FAN_PWM_Q*: R174.2 R175.1 U24.3 | length 159.8
  TOP w10: R175.1@2460,-1447.75 2472.24,-1447.75 2476.18,-1443.81 R174.2@2492,-1443.81 2492,-1468.01 2488,-1472.01 2488,-1524 2501.59,-1537.59 U24.3@2526.72,-1537.59
FAN_TACH: J1.208 Q14.2 R218.2 | length 295
  TOP w10: J1.208@2692.32,-1626.09 2692.32,-1590.06 v1(2718.89,-1563.49) ; R218.2@2720,-1460.25 2740.25,-1460.25 v1(2772,-1492) 2813.59,-1533.59 Q14.2@2813.59,-1535.37
  BOTTOM w10: v1(2718.89,-1563.49) 2722.51,-1563.49 2772,-1514 v1(2772,-1492)
FAN_TACH_CON: J20.3 Q14.3 R211.2 | length 2354.5
  TOP w10: v1(2552,-1371) 2552,-1384 2591,-1423 2754.37,-1423 Q14.3@2788,-1456.63 ; R211.2@3343.75,-480 3343.75,-408.25 3373.67,-378.33 3405.68,-378.33 3433.39,-350.62 J20.3@3433.39,-339.26
  BOTTOM w10: v1(2552,-1371) 2560,-1363 2560,-1004 2544.3,-988.3 2544.3,-561.58 2713.84,-392.04 2825.94,-392.04 2863.9,-430 2892.22,-430 2961,-361.22 2961,-340.12 2972.12,-329 3297,-329 3338.73,-370.73 3401.92,-370.73 J20.3@3433.39,-339.26
FORCE_OFF*: C90.1 D34.1 D34.2 D35.2 R105.2 R120.1 R385.2 U21.14 | length 588.4
  TOP w5: D34.2@2456.63,-733.59 D34.1@2456.63,-682.41 2549.59,-682.41 2565.81,-666.19 D35.2@2565.81,-616 ; R120.1@2632.25,-540 R385.2@2555.75,-540 2555.75,-571.76 2565.81,-581.82 D35.2@2565.81,-616 ; U21.14@2723.9,-693.84 2669.59,-693.84 C90.1@2663.75,-688 R105.2@2663.75,-652 2663.75,-646.75 2649.5,-632.5 2600.51,-632.5 2584.01,-616 D35.2@2565.81,-616
FORCE_RECOVERY*: D3.2 J1.214 J21.10 | length 3021.1
  TOP w10: J1.214@2751.37,-1626.09 2751.37,-1590.07 2761.44,-1580 2839,-1580 v1(2848,-1571) 2856,-1563 D3.2@2856,-1548
  ART04 w10: J21.10@1056,-402.18 1095.89,-402.18 1151.71,-458 1694,-458 1724.83,-488.83 1839.67,-488.83 1868,-460.5 2102.51,-460.5 2158.17,-516.16 v1(2630.75,-516.16)
  BOTTOM w10: v1(2630.75,-516.16) 2569.3,-577.61 2569.3,-695.62 2699.68,-826 2722,-826 2756,-860 2756,-912 2804,-960 2804,-1348 2832,-1376 2832,-1555 v1(2848,-1571)
FUSB_ID: R87.1 U2.3 | length 70.4
  BOTTOM w5: R87.1@3579.81,-3008.86 3598.95,-3028 3624,-3028 3630.25,-3021.75 U2.3@3630.25,-3012.32
FUSB_ID_R: Q26.1 R84.2 R87.2 | length 155.5
  BOTTOM w5: Q26.1@3436.63,-2986.45 3537.55,-2986.45 3547.14,-2976.86 R84.2@3556.19,-2976.86 R87.2@3556.19,-3008.86
FUSB_INT_N: R85.2 U2.10 | length 45.1
  BOTTOM w5: U2.10@3671.59,-2986.73 3701.32,-2986.73 R85.2@3712.19,-2975.86
FUSB_SCL: R86.2 U2.2 | length 88.4
  BOTTOM w5: U2.2@3646,-3012.32 3646,-3030 3656.86,-3040.86 R86.2@3712.19,-3040.86
FUSB_SDA: R88.2 U2.1 | length 73.2
  BOTTOM w5: U2.1@3661.75,-3012.32 3661.75,-3021.75 3668,-3028 3691.02,-3028 3712.19,-3006.83 R88.2@3712.19,-3004.86
GBE_LED_ACT: J1.194 R122.1 | length 2418
  TOP w10: v1(2458.84,-1527.57) 2466.9,-1530.91 2511.99,-1576 2544.52,-1576 2554.52,-1586 J1.194@2554.52,-1626.09 ; v1(3361.53,-2892) 3389.53,-2892 3403.81,-2906.28 R122.1@3403.81,-2912
  ART03 w10: v1(2458.84,-1527.57) 2442.41,-1527.57 2398.5,-1571.48 2398.5,-1847.66 2552,-2001.16 2552,-2165.05 2622.5,-2235.55 2622.5,-2344.45 2602.5,-2364.45 2602.5,-2458.5 2703.57,-2559.57 2819.18,-2559.57 2867.61,-2608 2948,-2608 2970,-2630 2970,-2830 3112,-2972 3309.22,-2972 3355,-2926.22 3355,-2898.53 v1(3361.53,-2892)
GBE_LED_LINK: J1.188 R80.1 | length 2389.5
  TOP w10: v1(2458.85,-1550.62) 2495.46,-1587.23 J1.188@2495.46,-1626.09 ; v1(3336,-2873) 3397.41,-2873 3424.81,-2900.4 3424.81,-2931.19 3412,-2944 R80.1@3403.81,-2944
  ART03 w10: v1(2458.85,-1550.62) 2440.59,-1550.62 2413.5,-1577.71 2413.5,-1841.44 2567,-1994.94 2567,-2158.83 2637.5,-2229.33 2637.5,-2350.67 2617.5,-2370.67 2617.5,-2452.28 2709.79,-2544.57 2825.4,-2544.57 2873.83,-2593 2954.22,-2593 2985,-2623.78 2985,-2823.78 3118.22,-2957 3303,-2957 3336,-2924 v1(3336,-2873)
GBE_MDI0_N: J1.184 J9.2 | length 1347.9
  TOP w3.94: v1(2449.81,-1732.09) 2453.92,-1727.98 2453.92,-1684.21 2459.61,-1678.52 2459.61,-1659.62 2456.09,-1656.1 J1.184@2456.09,-1626.09
  BOTTOM w3.94: v1(2449.81,-1732.09) 2451.93,-1734.21 2451.93,-1745.28 cw(c2445.85,-1745.28) 2445.85,-1751.36 2431.7,-1751.36 cw(c2431.7,-1740) 2420.34,-1740 2420.34,-1689.74 ccw(c2392.69,-1689.74) 2392.69,-1662.09 ccw(c2392.69,-1687.42) 2367.36,-1687.42 2367.36,-1776.43 ccw(c2395.16,-1776.43) 2395.16,-1804.23 2420.75,-1804.23 cw(c2420.75,-1816.04) 2432.56,-1816.04 2432.56,-2025.01 ccw(c2509.4,-2025.01) 2455.07,-2079.35 2578.94,-2203.22 cw(c2568.3,-2213.88) 2583.36,-2213.88 ccw(c2610.71,-2213.91) 2591.37,-2233.25 2732.47,-2374.35 cw(c2696.54,-2410.29) 2747.36,-2410.29 2747.36,-2418.61 ccw(c2784,-2418.61) 2784,-2455.25 2816.49,-2455.25 J9.2@2855.24,-2494
GBE_MDI0_P: J1.186 J9.1 | length 1347.1
  TOP w3.94: v1(2470.81,-1732.09) 2466.56,-1727.84 2466.56,-1689.45 2472.25,-1683.76 2472.25,-1659.74 2475.78,-1656.21 J1.186@2475.78,-1626.09
  BOTTOM w3.94: v1(2470.81,-1732.09) 2464.57,-1738.33 2464.57,-1745.28 cw(c2445.85,-1745.28) 2445.85,-1764 2431.7,-1764 cw(c2431.7,-1740) 2407.7,-1740 2407.7,-1689.74 ccw(c2392.69,-1689.74) 2392.69,-1674.73 ccw(c2392.69,-1687.42) 2380,-1687.42 2380,-1776.43 ccw(c2395.16,-1776.43) 2395.16,-1791.59 2420.75,-1791.59 cw(c2420.75,-1816.04) 2445.2,-1816.04 2445.2,-2025.01 ccw(c2509.39,-2025.01) 2464.01,-2070.41 2587.88,-2194.28 cw(c2568.28,-2213.88) 2596,-2213.88 ccw(c2610.7,-2213.91) 2600.31,-2224.31 2741.41,-2365.41 cw(c2696.53,-2410.29) 2760,-2410.29 2760,-2418.61 ccw(c2784,-2418.61) 2784,-2442.61 2825.39,-2442.61 2832.83,-2435.17 2832.83,-2421.59 J9.1@2805.24,-2394
GBE_MDI1_N: J1.190 J9.6 | length 1349.5
  TOP w3.94: v1(2514.82,-1676) 2518.67,-1672.15 2518.67,-1658.66 2515.15,-1655.14 J1.190@2515.15,-1626.09
  BOTTOM w3.94: 2485.72,-1809.08 ccw(c2508.66,-1809.08) 2508.66,-1832.02 2513.58,-1832.02 cw(c2513.58,-1848.95) 2530.51,-1848.95 2530.51,-1876.56 cw(c2510.62,-1876.56) 2510.62,-1896.45 2498.13,-1896.45 ccw(c2498.13,-1927.22) 2467.36,-1927.22 2467.36,-2003.1 ccw(c2491.44,-2003.1) 2491.44,-2027.18 2510.62,-2027.18 cw(c2510.62,-2039.15) 2522.59,-2039.15 2522.59,-2092.13 ccw(c2553.73,-2092.13) 2531.71,-2114.15 2608.52,-2190.96 cw(c2597.88,-2201.62) 2612.94,-2201.62 ; 2485.72,-1809.06 cw(c2511.98,-1809.06) 2511.98,-1782.8 2515.05,-1782.8 ccw(c2515.05,-1775.26) 2522.59,-1775.26 2522.59,-1700.47 2521.16,-1699.04 2521.16,-1682.34 v1(2514.82,-1676) ; 2612.94,-2201.65 ccw(c2640.29,-2201.65) 2620.95,-2220.99 2739.47,-2339.51 ccw(c2771.17,-2307.81) 2771.17,-2352.64 2840,-2352.64 cw(c2840,-2364) 2851.36,-2364 2851.36,-2406.92 ccw(c2897.51,-2406.92) 2897.51,-2453.07 3014.31,-2453.07 J9.6@3055.24,-2494
GBE_MDI1_P: J1.192 J9.3 | length 1350.5
  TOP w3.94: J1.192@2534.84,-1626.09 2534.84,-1657.17 2531.31,-1660.7 2531.31,-1671.49 v1(2535.82,-1676)
  BOTTOM w3.94: 2498.36,-1809.08 ccw(c2508.66,-1809.08) 2508.66,-1819.38 2513.58,-1819.38 cw(c2513.58,-1848.95) 2543.15,-1848.95 2543.15,-1876.56 cw(c2510.62,-1876.56) 2510.62,-1909.09 2498.13,-1909.09 ccw(c2498.13,-1927.22) 2480,-1927.22 2480,-2003.1 ccw(c2491.44,-2003.1) 2491.44,-2014.54 2510.62,-2014.54 cw(c2510.62,-2039.15) 2535.23,-2039.15 2535.23,-2092.13 ccw(c2553.72,-2092.13) 2540.65,-2105.21 2549.26,-2113.82 2561.57,-2113.82 2570.18,-2122.43 2570.18,-2134.74 2578.79,-2143.35 2591.1,-2143.35 2599.71,-2151.96 2599.71,-2164.27 2617.46,-2182.02 cw(c2597.86,-2201.62) 2625.58,-2201.62 ; 2498.36,-1809.06 cw(c2511.98,-1809.06) 2511.98,-1795.44 2515.05,-1795.44 ccw(c2515.05,-1775.26) 2535.23,-1775.26 2535.23,-1695.23 2533.8,-1693.8 2533.8,-1678.02 v1(2535.82,-1676) ; 2625.58,-2201.65 ccw(c2640.28,-2201.65) 2629.89,-2212.05 2652.46,-2234.62 2664.77,-2234.62 2673.38,-2243.23 2673.38,-2255.54 2681.99,-2264.15 2694.3,-2264.15 2702.91,-2272.76 2702.91,-2285.07 2711.52,-2293.68 2723.83,-2293.68 2732.44,-2302.29 2732.44,-2314.6 2748.41,-2330.57 ccw(c2771.17,-2307.82) 2771.17,-2340 2781.21,-2340 2789.91,-2331.3 2802.09,-2331.3 2810.79,-2340 2840,-2340 cw(c2840,-2364) 2864,-2364 2864,-2406.92 ccw(c2897.51,-2406.92) 2897.51,-2440.43 2951.57,-2440.43 2961,-2431 2961,-2405 2950,-2394 J9.3@2905.24,-2394
GBE_MDI2_N: J1.196 J9.8 | length 1351.3
  TOP w3.94: J1.196@2574.21,-1626.09 2574.21,-1654.22 2577.73,-1657.74 2577.73,-1691.61 2579.5,-1693.38 2579.5,-1716.75 v1(2575.32,-1720.93)
  BOTTOM w3.94: v1(2575.32,-1720.93) 2579.5,-1725.11 2579.5,-1731.12 2566.76,-1743.86 ccw(c2602,-1779.09) 2552.17,-1779.09 2552.17,-1807.17 ccw(c2571.19,-1807.18) 2557.93,-1820.82 cw(c2552.09,-1826.29) 2560.09,-1826.27 2560.09,-1913.83 cw(c2548.12,-1913.83) 2548.12,-1925.8 2532.61,-1925.8 ccw(c2532.61,-1950.41) 2532.61,-1975.02 2548.12,-1975.02 cw(c2548.12,-1986.99) 2560.09,-1986.99 2560.09,-2044.13 ccw(c2612.82,-2044.13) 2575.53,-2081.41 2616.87,-2122.75 cw(c2598.79,-2140.83) 2624.36,-2140.83 2624.36,-2140.89 ccw(c2682.47,-2140.89) 2641.37,-2181.97 2746.07,-2286.67 ccw(c2808.78,-2223.94) 2808.78,-2312.64 2825.95,-2312.64 cw(c2825.95,-2377.75) 2872,-2331.72 2884.16,-2343.88 ccw(c2903.76,-2324.28) 2903.76,-2352 3032,-2352 cw(c3032,-2367.36) 3047.36,-2367.36 3047.36,-2406.61 ccw(c3096,-2406.61) 3096,-2455.25 3117.9,-2455.25 3125.52,-2451.44 3135.6,-2454.78 J9.8@3155.24,-2494
GBE_MDI2_P: J1.198 J9.7 | length 1351.4
  TOP w3.94: J1.198@2593.89,-1626.09 2593.89,-1654.1 2590.37,-1657.62 2590.37,-1686.37 2592.14,-1688.14 2592.14,-1716.75 v1(2596.32,-1720.93)
  BOTTOM w3.94: v1(2596.32,-1720.93) 2592.14,-1725.11 2592.14,-1736.36 2575.7,-1752.8 ccw(c2601.99,-1779.09) 2564.81,-1779.09 2564.81,-1807.17 ccw(c2571.18,-1807.17) 2566.68,-1811.68 cw(c2552.09,-1826.27) 2572.73,-1826.28 2572.73,-1913.83 cw(c2548.12,-1913.83) 2548.12,-1938.44 2532.61,-1938.44 ccw(c2532.61,-1950.41) 2532.61,-1962.38 2548.12,-1962.38 cw(c2548.12,-1986.99) 2572.73,-1986.99 2572.73,-2044.13 ccw(c2612.81,-2044.13) 2584.47,-2072.47 2591.54,-2079.54 2603.85,-2079.54 2612.46,-2088.15 2612.46,-2100.46 2625.81,-2113.81 cw(c2598.78,-2140.83) 2637,-2140.83 2637,-2140.89 ccw(c2682.46,-2140.89) 2650.31,-2173.03 2755.01,-2277.73 ccw(c2808.78,-2223.95) 2808.78,-2300 2825.95,-2300 cw(c2825.95,-2377.76) 2880.94,-2322.78 2893.1,-2334.94 ccw(c2903.76,-2324.3) 2903.76,-2339.36 2913.21,-2339.36 2921.91,-2330.66 2934.09,-2330.66 2942.79,-2339.36 2954.97,-2339.36 2963.67,-2330.66 2975.85,-2330.66 2984.55,-2339.36 2997.21,-2339.36 3005.91,-2330.66 3018.09,-2330.66 3026.79,-2339.36 3032,-2339.36 cw(c3032,-2367.36) 3060,-2367.36 3060,-2406.61 ccw(c3096,-2406.61) 3096,-2442.61 3114.91,-2442.61 3119.91,-2440.11 3123.28,-2430.03 J9.7@3105.24,-2394
GBE_MDI3_N: J1.202 J9.10 | length 1345.9
  TOP w3.94: v1(2629.82,-1676) 2633.26,-1672.56 J1.202@2633.26,-1626.09
  BOTTOM w3.94: v1(2629.82,-1676) 2632.22,-1678.4 2632.22,-1723.32 cw(c2619.43,-1723.32) 2628.47,-1732.37 2589.36,-1771.48 ccw(c2605.27,-1787.39) 2582.77,-1787.39 2582.77,-1794.92 ccw(c2601.77,-1794.92) 2588.33,-1808.35 cw(c2585.11,-1811.58) 2589.67,-1811.58 2589.67,-1996.36 ccw(c2664.97,-1996.36) 2611.72,-2049.6 2641.79,-2079.67 cw(c2612.49,-2108.99) 2653.94,-2108.99 2653.94,-2140.87 ccw(c2682.5,-2140.87) 2662.3,-2161.06 2760.42,-2259.18 ccw(c2801.04,-2218.54) 2801.04,-2276 2840.84,-2276 cw(c2840.84,-2317.72) 2870.35,-2288.23 ccw(c2931.88,-2226.71) 2931.88,-2313.72 3065.13,-2313.72 cw(c3065.13,-2392.4) 3120.77,-2336.77 3133.33,-2349.33 cw(c3088.29,-2394.39) 3152,-2394.39 3152,-2417.61 ccw(c3192,-2417.61) 3192,-2457.61 3212.11,-2457.61 3228.14,-2450.98 3234.8,-2453.18 J9.10@3255.24,-2494
GBE_MDI3_P: J1.204 J9.9 | length 1346
  TOP w3.94: v1(2650.82,-1676) 2645.9,-1671.08 2645.9,-1664.87 2652.95,-1657.82 J1.204@2652.95,-1626.09
  BOTTOM w3.94: v1(2650.82,-1676) 2650.82,-1678 2644.86,-1683.96 2644.86,-1723.33 cw(c2619.43,-1723.33) 2637.41,-1741.31 2598.3,-1780.42 ccw(c2605.26,-1787.39) 2595.41,-1787.39 2595.41,-1794.92 ccw(c2601.76,-1794.92) 2597.27,-1799.41 cw(c2585.1,-1811.58) 2602.31,-1811.58 2602.31,-1916.73 2611.01,-1925.43 2611.01,-1937.61 2602.31,-1946.31 2602.31,-1996.36 ccw(c2664.96,-1996.36) 2620.66,-2040.66 2650.73,-2070.73 cw(c2612.48,-2108.99) 2666.58,-2108.99 2666.58,-2140.87 ccw(c2682.49,-2140.87) 2671.24,-2152.12 2683.1,-2163.98 2695.41,-2163.98 2704.02,-2172.59 2704.02,-2184.9 2712.63,-2193.51 2724.94,-2193.51 2733.55,-2202.12 2733.55,-2214.43 2769.36,-2250.24 ccw(c2801.04,-2218.55) 2801.04,-2263.36 2840.84,-2263.36 cw(c2840.84,-2317.73) 2879.29,-2279.29 ccw(c2931.88,-2226.72) 2931.88,-2301.08 3065.13,-2301.08 cw(c3065.13,-2392.41) 3129.71,-2327.83 3142.27,-2340.39 cw(c3088.28,-2394.39) 3164.64,-2394.39 3164.64,-2417.61 ccw(c3192,-2417.61) 3192,-2444.97 3209.59,-2444.97 3224.31,-2438.88 3225.67,-2434.81 J9.9@3205.24,-2394